# KiCad board RP2040-Breadstick.kicad_pcb
title: RP2040 Breadstick; date: 2023-02-27; rev: 0.1; company: J & R Creative Technologies Inc.; note: @RangenMichael; note: https://twitter.com/RangenMichael; note: Apache-2.0 License; note: https://github.com/mrangen/RP2040-Breadstick
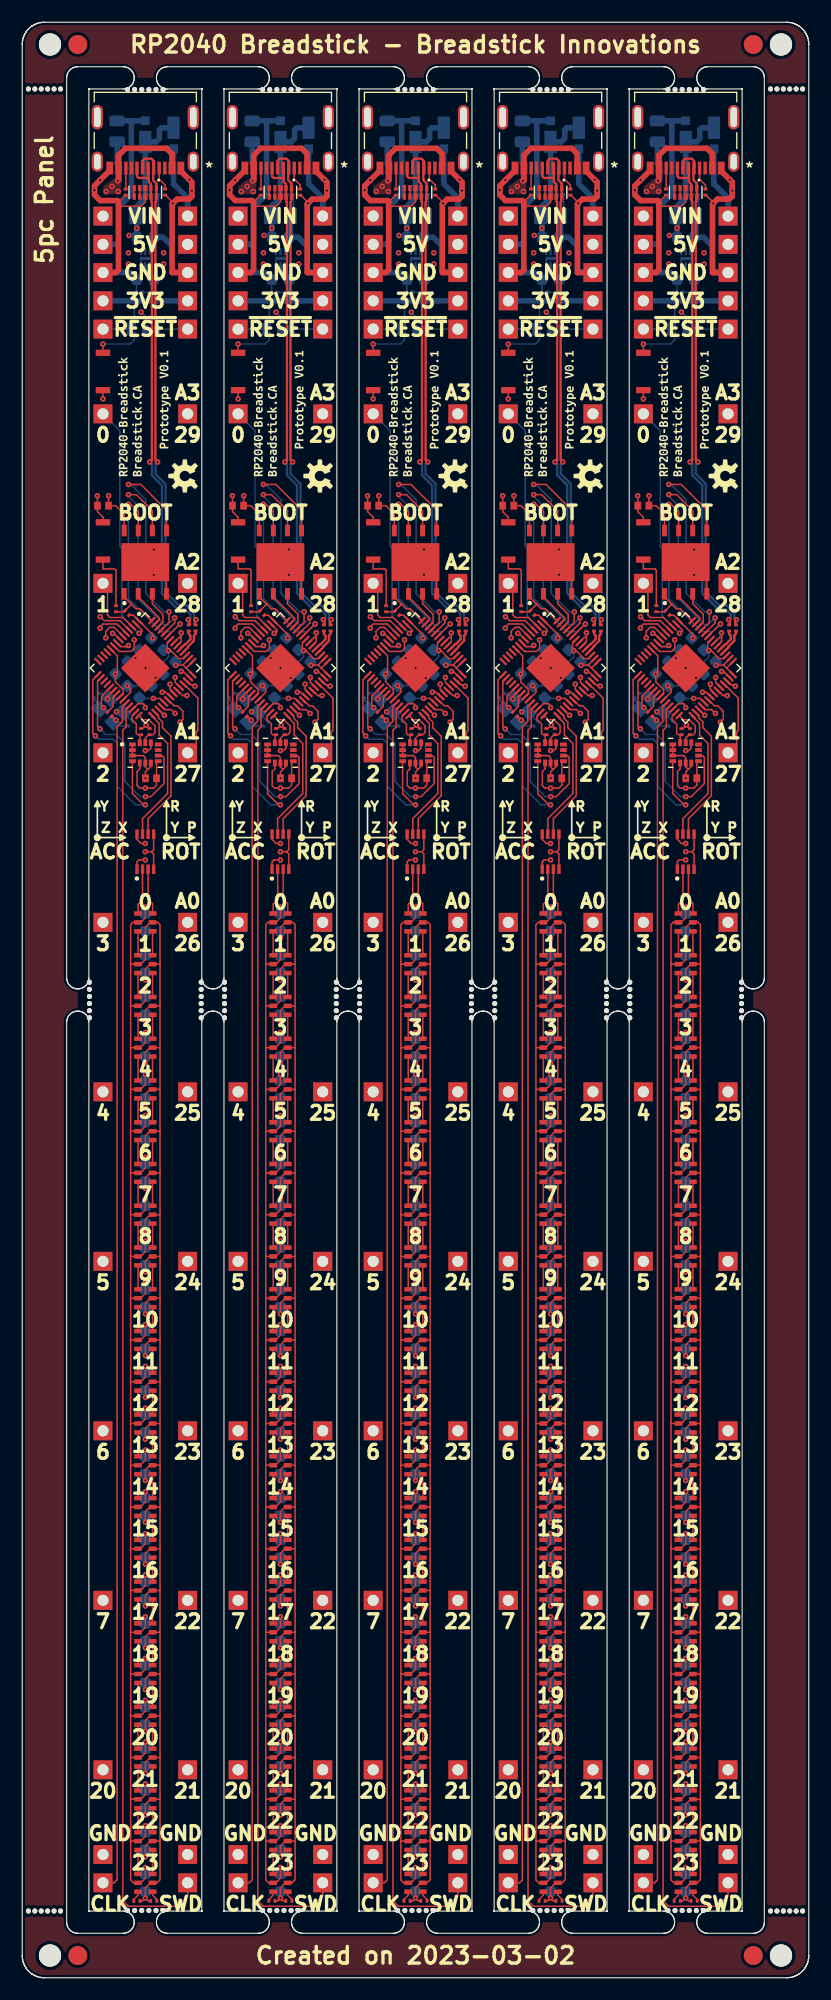
[diagram p0: board, top side]
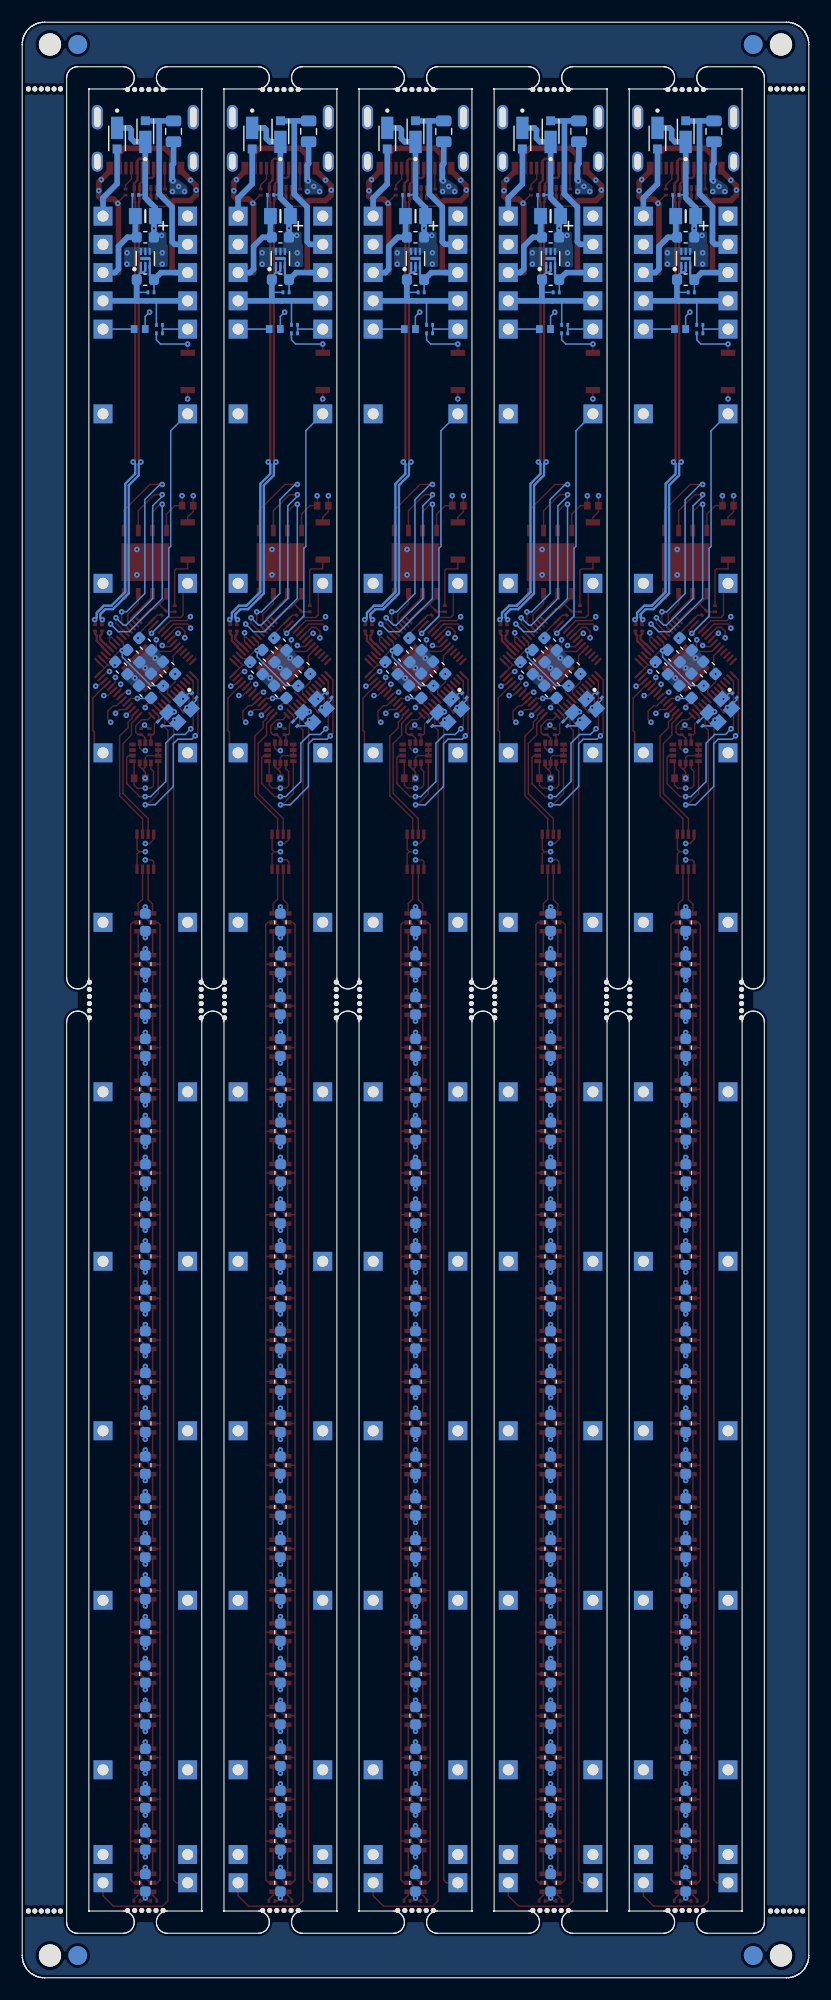
[diagram p1: board, bottom side, seen from below]

Outline 70.8 x 175.83 mm; copper layers: L1_SIG.Cu, L2_GND.Cu (plane), L3_SIG.Cu, L4_GND.Cu (plane), L5_3V3.Cu (plane), L6_5VHIGH.Cu (plane), L7_GND.Cu (plane), L8_SIG.Cu. Coordinates in mm from the lower left corner of the outline.
Stack: L1_SIG.Cu 0.07mm / dielectric 0.11mm PCBWay PP1080 er 4.29 / L2_GND.Cu 0.035mm / dielectric 0.2mm FR4 er 4.6 / L3_SIG.Cu 0.035mm / dielectric 0.11mm FR4 er 4.5 / L4_GND.Cu 0.035mm / dielectric 0.2mm FR4 er 4.6 / L5_3V3.Cu 0.035mm / dielectric 0.11mm FR4 er 4.5 / L6_5VHIGH.Cu 0.035mm / dielectric 0.2mm FR4 er 4.5 / L7_GND.Cu 0.035mm / dielectric 0.08mm PCBWay PP1080 er 4.29 / L8_SIG.Cu 0.07mm

## Placement (name value [footprint] x y rotation side)
C201  10pF 0201  [Perfect_0201_Cap]  31.01 115.3 135 bottom
C201#2  10pF 0201  [Perfect_0201_Cap]  18.85 115.3 135 bottom
C201#3  10pF 0201  [Perfect_0201_Cap]  6.69 115.3 135 bottom
C201#4  10pF 0201  [Perfect_0201_Cap]  55.33 115.3 135 bottom
C201#5  10pF 0201  [Perfect_0201_Cap]  43.17 115.3 135 bottom
C202  2.2uF 0603 10V  [C_0603_1608Metric]  12.16 118.84 225 bottom
C202#2  2.2uF 0603 10V  [C_0603_1608Metric]  24.32 118.84 225 bottom
C202#3  2.2uF 0603 10V  [C_0603_1608Metric]  48.64 118.84 225 bottom
C202#4  2.2uF 0603 10V  [C_0603_1608Metric]  60.8 118.84 225 bottom
C202#5  2.2uF 0603 10V  [C_0603_1608Metric]  36.48 118.84 225 bottom
C203  10pF 0201  [Perfect_0201_Cap]  34.08 112.76 315 bottom
C203#2  10pF 0201  [Perfect_0201_Cap]  58.4 112.76 315 bottom
C203#3  10pF 0201  [Perfect_0201_Cap]  21.92 112.76 315 bottom
C203#4  10pF 0201  [Perfect_0201_Cap]  46.24 112.76 315 bottom
C203#5  10pF 0201  [Perfect_0201_Cap]  9.76 112.76 315 bottom
C204  2.2uF 0603 10V  [C_0603_1608Metric]  22.18 116.7 45 bottom
C204#2  2.2uF 0603 10V  [C_0603_1608Metric]  34.34 116.7 45 bottom
C204#3  2.2uF 0603 10V  [C_0603_1608Metric]  10.02 116.7 45 bottom
C204#4  2.2uF 0603 10V  [C_0603_1608Metric]  58.66 116.7 45 bottom
C204#5  2.2uF 0603 10V  [C_0603_1608Metric]  46.5 116.7 45 bottom
C205  2.2uF 0603 10V  [C_0603_1608Metric]  23.24 119.92 225 bottom
C205#2  2.2uF 0603 10V  [C_0603_1608Metric]  59.72 119.92 225 bottom
C205#3  2.2uF 0603 10V  [C_0603_1608Metric]  47.56 119.92 225 bottom
C205#4  2.2uF 0603 10V  [C_0603_1608Metric]  11.08 119.92 225 bottom
C205#5  2.2uF 0603 10V  [C_0603_1608Metric]  35.4 119.92 225 bottom
C206  2.2uF 0603 10V  [C_0603_1608Metric]  59.74 115.63 45 bottom
C206#2  2.2uF 0603 10V  [C_0603_1608Metric]  11.1 115.63 45 bottom
C206#3  2.2uF 0603 10V  [C_0603_1608Metric]  23.26 115.63 45 bottom
C206#4  2.2uF 0603 10V  [C_0603_1608Metric]  35.42 115.63 45 bottom
C206#5  2.2uF 0603 10V  [C_0603_1608Metric]  47.58 115.63 45 bottom
C207  1uF 0402 10V  [Perfect_0402_Cap]  60.23 148.24 270 bottom
C207#2  1uF 0402 10V  [Perfect_0402_Cap]  23.75 148.24 270 bottom
C207#3  1uF 0402 10V  [Perfect_0402_Cap]  48.07 148.24 270 bottom
C207#4  1uF 0402 10V  [Perfect_0402_Cap]  11.59 148.24 270 bottom
C207#5  1uF 0402 10V  [Perfect_0402_Cap]  35.91 148.24 270 bottom
C210  2.2uF 0603 10V  [C_0603_1608Metric]  45.43 117.79 45 bottom
C210#2  2.2uF 0603 10V  [C_0603_1608Metric]  21.11 117.79 45 bottom
C210#3  2.2uF 0603 10V  [C_0603_1608Metric]  57.59 117.79 45 bottom
C210#4  2.2uF 0603 10V  [C_0603_1608Metric]  33.27 117.79 45 bottom
C210#5  2.2uF 0603 10V  [C_0603_1608Metric]  8.95 117.79 45 bottom
C211  2.2uF 0603 10V  [C_0603_1608Metric]  37.56 117.76 225 bottom
C211#2  2.2uF 0603 10V  [C_0603_1608Metric]  25.4 117.76 225 bottom
C211#3  2.2uF 0603 10V  [C_0603_1608Metric]  49.72 117.76 225 bottom
C211#4  2.2uF 0603 10V  [C_0603_1608Metric]  61.88 117.76 225 bottom
C211#5  2.2uF 0603 10V  [C_0603_1608Metric]  13.24 117.76 225 bottom
C216  1uF 0402 10V  [Perfect_0402_Cap]  19.43 132.37 90 top
C216#2  1uF 0402 10V  [Perfect_0402_Cap]  43.75 132.37 90 top
C216#3  1uF 0402 10V  [Perfect_0402_Cap]  31.59 132.37 90 top
C216#4  1uF 0402 10V  [Perfect_0402_Cap]  7.27 132.37 90 top
C216#5  1uF 0402 10V  [Perfect_0402_Cap]  55.91 132.37 90 top
C303  2.2uF 0603 10V  [C_0603_1608Metric]  59.72 94.9 270 bottom
C303#2  2.2uF 0603 10V  [C_0603_1608Metric]  47.56 94.9 270 bottom
C303#3  2.2uF 0603 10V  [C_0603_1608Metric]  11.08 94.9 270 bottom
C303#4  2.2uF 0603 10V  [C_0603_1608Metric]  35.4 94.9 270 bottom
C303#5  2.2uF 0603 10V  [C_0603_1608Metric]  23.24 94.9 270 bottom
C304  2.2uF 0603 10V  [C_0603_1608Metric]  11.08 91.15 270 bottom
C304#2  2.2uF 0603 10V  [C_0603_1608Metric]  59.72 91.15 270 bottom
C304#3  2.2uF 0603 10V  [C_0603_1608Metric]  47.56 91.15 270 bottom
C304#4  2.2uF 0603 10V  [C_0603_1608Metric]  35.4 91.15 270 bottom
C304#5  2.2uF 0603 10V  [C_0603_1608Metric]  23.24 91.15 270 bottom
C305  2.2uF 0603 10V  [C_0603_1608Metric]  11.08 87.39 270 bottom
C305#2  2.2uF 0603 10V  [C_0603_1608Metric]  23.24 87.39 270 bottom
C305#3  2.2uF 0603 10V  [C_0603_1608Metric]  59.72 87.39 270 bottom
C305#4  2.2uF 0603 10V  [C_0603_1608Metric]  47.56 87.39 270 bottom
C305#5  2.2uF 0603 10V  [C_0603_1608Metric]  35.4 87.39 270 bottom
C306  2.2uF 0603 10V  [C_0603_1608Metric]  35.4 83.64 270 bottom
C306#2  2.2uF 0603 10V  [C_0603_1608Metric]  47.56 83.64 270 bottom
C306#3  2.2uF 0603 10V  [C_0603_1608Metric]  11.08 83.64 270 bottom
C306#4  2.2uF 0603 10V  [C_0603_1608Metric]  23.24 83.64 270 bottom
C306#5  2.2uF 0603 10V  [C_0603_1608Metric]  59.72 83.64 270 bottom
C307  2.2uF 0603 10V  [C_0603_1608Metric]  35.4 79.88 270 bottom
C307#2  2.2uF 0603 10V  [C_0603_1608Metric]  59.72 79.88 270 bottom
C307#3  2.2uF 0603 10V  [C_0603_1608Metric]  23.24 79.88 270 bottom
C307#4  2.2uF 0603 10V  [C_0603_1608Metric]  47.56 79.88 270 bottom
C307#5  2.2uF 0603 10V  [C_0603_1608Metric]  11.08 79.88 270 bottom
C308  2.2uF 0603 10V  [C_0603_1608Metric]  47.55 76.13 270 bottom
C308#2  2.2uF 0603 10V  [C_0603_1608Metric]  35.38 76.13 270 bottom
C308#3  2.2uF 0603 10V  [C_0603_1608Metric]  23.22 76.13 270 bottom
C308#4  2.2uF 0603 10V  [C_0603_1608Metric]  59.7 76.13 270 bottom
C308#5  2.2uF 0603 10V  [C_0603_1608Metric]  11.06 76.13 270 bottom
C309  2.2uF 0603 10V  [C_0603_1608Metric]  59.7 72.37 270 bottom
C309#2  2.2uF 0603 10V  [C_0603_1608Metric]  23.22 72.37 270 bottom
C309#3  2.2uF 0603 10V  [C_0603_1608Metric]  11.06 72.37 270 bottom
C309#4  2.2uF 0603 10V  [C_0603_1608Metric]  35.38 72.37 270 bottom
C309#5  2.2uF 0603 10V  [C_0603_1608Metric]  47.55 72.37 270 bottom
C310  2.2uF 0603 10V  [C_0603_1608Metric]  59.72 68.62 270 bottom
C310#2  2.2uF 0603 10V  [C_0603_1608Metric]  35.4 68.62 270 bottom
C310#3  2.2uF 0603 10V  [C_0603_1608Metric]  23.24 68.62 270 bottom
C310#4  2.2uF 0603 10V  [C_0603_1608Metric]  47.56 68.62 270 bottom
C310#5  2.2uF 0603 10V  [C_0603_1608Metric]  11.08 68.62 270 bottom
C311  2.2uF 0603 10V  [C_0603_1608Metric]  59.72 64.86 270 bottom
C311#2  2.2uF 0603 10V  [C_0603_1608Metric]  11.08 64.86 270 bottom
C311#3  2.2uF 0603 10V  [C_0603_1608Metric]  47.56 64.86 270 bottom
C311#4  2.2uF 0603 10V  [C_0603_1608Metric]  23.24 64.86 270 bottom
C311#5  2.2uF 0603 10V  [C_0603_1608Metric]  35.4 64.86 270 bottom
C312  2.2uF 0603 10V  [C_0603_1608Metric]  35.4 61.11 270 bottom
C312#2  2.2uF 0603 10V  [C_0603_1608Metric]  47.56 61.11 270 bottom
C312#3  2.2uF 0603 10V  [C_0603_1608Metric]  11.08 61.11 270 bottom
C312#4  2.2uF 0603 10V  [C_0603_1608Metric]  23.24 61.11 270 bottom
C312#5  2.2uF 0603 10V  [C_0603_1608Metric]  59.72 61.11 270 bottom
C313  2.2uF 0603 10V  [C_0603_1608Metric]  47.56 57.35 270 bottom
C313#2  2.2uF 0603 10V  [C_0603_1608Metric]  59.72 57.35 270 bottom
C313#3  2.2uF 0603 10V  [C_0603_1608Metric]  35.4 57.35 270 bottom
C313#4  2.2uF 0603 10V  [C_0603_1608Metric]  11.08 57.35 270 bottom
C313#5  2.2uF 0603 10V  [C_0603_1608Metric]  23.24 57.35 270 bottom
C314  2.2uF 0603 10V  [C_0603_1608Metric]  11.08 53.6 270 bottom
C314#2  2.2uF 0603 10V  [C_0603_1608Metric]  47.56 53.6 270 bottom
C314#3  2.2uF 0603 10V  [C_0603_1608Metric]  59.72 53.6 270 bottom
C314#4  2.2uF 0603 10V  [C_0603_1608Metric]  23.24 53.6 270 bottom
C314#5  2.2uF 0603 10V  [C_0603_1608Metric]  35.4 53.6 270 bottom
C315  2.2uF 0603 10V  [C_0603_1608Metric]  23.24 49.84 270 bottom
C315#2  2.2uF 0603 10V  [C_0603_1608Metric]  11.08 49.84 270 bottom
C315#3  2.2uF 0603 10V  [C_0603_1608Metric]  47.56 49.84 270 bottom
C315#4  2.2uF 0603 10V  [C_0603_1608Metric]  59.72 49.84 270 bottom
C315#5  2.2uF 0603 10V  [C_0603_1608Metric]  35.4 49.84 270 bottom
C316  2.2uF 0603 10V  [C_0603_1608Metric]  59.72 46.09 270 bottom
C316#2  2.2uF 0603 10V  [C_0603_1608Metric]  11.08 46.09 270 bottom
C316#3  2.2uF 0603 10V  [C_0603_1608Metric]  35.4 46.09 270 bottom
C316#4  2.2uF 0603 10V  [C_0603_1608Metric]  23.24 46.09 270 bottom
C316#5  2.2uF 0603 10V  [C_0603_1608Metric]  47.56 46.09 270 bottom
C317  2.2uF 0603 10V  [C_0603_1608Metric]  11.08 42.33 270 bottom
C317#2  2.2uF 0603 10V  [C_0603_1608Metric]  47.56 42.33 270 bottom
C317#3  2.2uF 0603 10V  [C_0603_1608Metric]  59.72 42.33 270 bottom
C317#4  2.2uF 0603 10V  [C_0603_1608Metric]  23.24 42.33 270 bottom
C317#5  2.2uF 0603 10V  [C_0603_1608Metric]  35.4 42.33 270 bottom
C318  2.2uF 0603 10V  [C_0603_1608Metric]  11.08 38.58 270 bottom
C318#2  2.2uF 0603 10V  [C_0603_1608Metric]  59.72 38.58 270 bottom
C318#3  2.2uF 0603 10V  [C_0603_1608Metric]  35.4 38.58 270 bottom
C318#4  2.2uF 0603 10V  [C_0603_1608Metric]  23.24 38.58 270 bottom
C318#5  2.2uF 0603 10V  [C_0603_1608Metric]  47.56 38.58 270 bottom
C319  2.2uF 0603 10V  [C_0603_1608Metric]  59.72 34.82 270 bottom
C319#2  2.2uF 0603 10V  [C_0603_1608Metric]  23.24 34.82 270 bottom
C319#3  2.2uF 0603 10V  [C_0603_1608Metric]  35.4 34.82 270 bottom
C319#4  2.2uF 0603 10V  [C_0603_1608Metric]  47.56 34.82 270 bottom
C319#5  2.2uF 0603 10V  [C_0603_1608Metric]  11.08 34.82 270 bottom
C320  2.2uF 0603 10V  [C_0603_1608Metric]  35.4 31.07 270 bottom
C320#2  2.2uF 0603 10V  [C_0603_1608Metric]  59.72 31.07 270 bottom
C320#3  2.2uF 0603 10V  [C_0603_1608Metric]  11.08 31.07 270 bottom
C320#4  2.2uF 0603 10V  [C_0603_1608Metric]  47.56 31.07 270 bottom
C320#5  2.2uF 0603 10V  [C_0603_1608Metric]  23.24 31.07 270 bottom
C321  2.2uF 0603 10V  [C_0603_1608Metric]  11.08 27.31 270 bottom
C321#2  2.2uF 0603 10V  [C_0603_1608Metric]  47.56 27.31 270 bottom
C321#3  2.2uF 0603 10V  [C_0603_1608Metric]  35.4 27.31 270 bottom
C321#4  2.2uF 0603 10V  [C_0603_1608Metric]  59.72 27.31 270 bottom
C321#5  2.2uF 0603 10V  [C_0603_1608Metric]  23.24 27.31 270 bottom
C322  2.2uF 0603 10V  [C_0603_1608Metric]  11.08 23.56 270 bottom
C322#2  2.2uF 0603 10V  [C_0603_1608Metric]  47.56 23.56 270 bottom
C322#3  2.2uF 0603 10V  [C_0603_1608Metric]  23.24 23.56 270 bottom
C322#4  2.2uF 0603 10V  [C_0603_1608Metric]  59.72 23.56 270 bottom
C322#5  2.2uF 0603 10V  [C_0603_1608Metric]  35.4 23.56 270 bottom
C323  2.2uF 0603 10V  [C_0603_1608Metric]  47.56 19.8 270 bottom
C323#2  2.2uF 0603 10V  [C_0603_1608Metric]  23.24 19.8 270 bottom
C323#3  2.2uF 0603 10V  [C_0603_1608Metric]  11.08 19.8 270 bottom
C323#4  2.2uF 0603 10V  [C_0603_1608Metric]  59.72 19.8 270 bottom
C323#5  2.2uF 0603 10V  [C_0603_1608Metric]  35.4 19.8 270 bottom
C324  2.2uF 0603 10V  [C_0603_1608Metric]  11.08 16.05 270 bottom
C324#2  2.2uF 0603 10V  [C_0603_1608Metric]  35.4 16.05 270 bottom
C324#3  2.2uF 0603 10V  [C_0603_1608Metric]  23.24 16.05 270 bottom
C324#4  2.2uF 0603 10V  [C_0603_1608Metric]  59.72 16.05 270 bottom
C324#5  2.2uF 0603 10V  [C_0603_1608Metric]  47.56 16.05 270 bottom
C325  2.2uF 0603 10V  [C_0603_1608Metric]  47.56 12.29 270 bottom
C325#2  2.2uF 0603 10V  [C_0603_1608Metric]  59.72 12.29 270 bottom
C325#3  2.2uF 0603 10V  [C_0603_1608Metric]  23.24 12.29 270 bottom
C325#4  2.2uF 0603 10V  [C_0603_1608Metric]  11.08 12.29 270 bottom
C325#5  2.2uF 0603 10V  [C_0603_1608Metric]  35.4 12.29 270 bottom
C326  2.2uF 0603 10V  [C_0603_1608Metric]  59.72 8.54 270 bottom
C326#2  2.2uF 0603 10V  [C_0603_1608Metric]  47.56 8.54 270 bottom
C326#3  2.2uF 0603 10V  [C_0603_1608Metric]  35.4 8.54 270 bottom
C326#4  2.2uF 0603 10V  [C_0603_1608Metric]  23.24 8.54 270 bottom
C326#5  2.2uF 0603 10V  [C_0603_1608Metric]  11.08 8.54 270 bottom
C401  1uF 0402 10V  [Perfect_0402_Cap]  48.07 107.85 90 top
C401#2  1uF 0402 10V  [Perfect_0402_Cap]  23.75 107.85 90 top
C401#3  1uF 0402 10V  [Perfect_0402_Cap]  11.59 107.85 90 top
C401#4  1uF 0402 10V  [Perfect_0402_Cap]  35.91 107.85 90 top
C401#5  1uF 0402 10V  [Perfect_0402_Cap]  60.23 107.85 90 top
C501  47uF 0805 6.3V Tant  [CAPC2012X140N]  23.24 158.4 0 bottom
C501#2  47uF 0805 6.3V Tant  [CAPC2012X140N]  35.4 158.4 0 bottom
C501#3  47uF 0805 6.3V Tant  [CAPC2012X140N]  47.56 158.4 0 bottom
C501#4  47uF 0805 6.3V Tant  [CAPC2012X140N]  59.72 158.4 0 bottom
C501#5  47uF 0805 6.3V Tant  [CAPC2012X140N]  11.08 158.4 0 bottom
C502  2.2uF 0603 10V  [C_0603_1608Metric]  59.72 156.5 0 bottom
C502#2  2.2uF 0603 10V  [C_0603_1608Metric]  47.56 156.5 0 bottom
C502#3  2.2uF 0603 10V  [C_0603_1608Metric]  35.4 156.5 0 bottom
C502#4  2.2uF 0603 10V  [C_0603_1608Metric]  11.08 156.5 0 bottom
C502#5  2.2uF 0603 10V  [C_0603_1608Metric]  23.24 156.5 0 bottom
C503  2.2uF 0603 10V  [C_0603_1608Metric]  47.56 152.69 180 bottom
C503#2  2.2uF 0603 10V  [C_0603_1608Metric]  11.08 152.69 180 bottom
C503#3  2.2uF 0603 10V  [C_0603_1608Metric]  23.24 152.69 180 bottom
C503#4  2.2uF 0603 10V  [C_0603_1608Metric]  59.72 152.69 180 bottom
C503#5  2.2uF 0603 10V  [C_0603_1608Metric]  35.4 152.69 180 bottom
D501  2A  [DIO_V2PM15HM3_H]  62.26 165.39 270 bottom
D501#2  2A  [DIO_V2PM15HM3_H]  37.94 165.39 270 bottom
D501#3  2A  [DIO_V2PM15HM3_H]  50.1 165.39 270 bottom
D501#4  2A  [DIO_V2PM15HM3_H]  25.78 165.39 270 bottom
D501#5  2A  [DIO_V2PM15HM3_H]  13.62 165.39 270 bottom
D502  2A  [DIO_V2PM15HM3_H]  47.56 166.02 90 bottom
D502#2  2A  [DIO_V2PM15HM3_H]  11.08 166.02 90 bottom
D502#3  2A  [DIO_V2PM15HM3_H]  59.72 166.02 90 bottom
D502#4  2A  [DIO_V2PM15HM3_H]  35.4 166.02 90 bottom
D502#5  2A  [DIO_V2PM15HM3_H]  23.24 166.02 90 bottom
F501  4A USB PTC  [Fuse_0805_2012Metric]  8.54 166.02 90 bottom
F501#2  4A USB PTC  [Fuse_0805_2012Metric]  57.18 166.02 90 bottom
F501#3  4A USB PTC  [Fuse_0805_2012Metric]  20.7 166.02 90 bottom
F501#4  4A USB PTC  [Fuse_0805_2012Metric]  32.86 166.02 90 bottom
F501#5  4A USB PTC  [Fuse_0805_2012Metric]  45.02 166.02 90 bottom
IC301  -  [74AXP2T45DCH]  47.56 101.25 90 top
IC301#2  -  [74AXP2T45DCH]  35.4 101.25 90 top
IC301#3  -  [74AXP2T45DCH]  23.24 101.25 90 top
IC301#4  -  [74AXP2T45DCH]  59.72 101.25 90 top
IC301#5  -  [74AXP2T45DCH]  11.08 101.25 90 top
J201  Conn_01x01  [PinHeader_1x01_P2.54mm_Vertical]  51.37 148.24 180 bottom
J201#2  Conn_01x01  [PinHeader_1x01_P2.54mm_Vertical]  63.53 148.24 180 bottom
J201#3  Conn_01x01  [PinHeader_1x01_P2.54mm_Vertical]  27.05 148.24 180 bottom
J201#4  Conn_01x01  [PinHeader_1x01_P2.54mm_Vertical]  39.21 148.24 180 bottom
J201#5  Conn_01x01  [PinHeader_1x01_P2.54mm_Vertical]  14.89 148.24 180 bottom
J202  Conn_01x01  [PinHeader_1x01_P2.54mm_Vertical]  51.37 79.66 180 bottom
J202#2  Conn_01x01  [PinHeader_1x01_P2.54mm_Vertical]  63.53 79.66 180 bottom
J202#3  Conn_01x01  [PinHeader_1x01_P2.54mm_Vertical]  27.05 79.66 180 bottom
J202#4  Conn_01x01  [PinHeader_1x01_P2.54mm_Vertical]  39.21 79.66 180 bottom
J202#5  Conn_01x01  [PinHeader_1x01_P2.54mm_Vertical]  14.89 79.66 180 bottom
J203  Conn_01x01  [PinHeader_1x01_P2.54mm_Vertical]  63.53 18.7 180 bottom
J203#2  Conn_01x01  [PinHeader_1x01_P2.54mm_Vertical]  27.05 18.7 180 bottom
J203#3  Conn_01x01  [PinHeader_1x01_P2.54mm_Vertical]  51.37 18.7 180 bottom
J203#4  Conn_01x01  [PinHeader_1x01_P2.54mm_Vertical]  14.89 18.7 180 bottom
J203#5  Conn_01x01  [PinHeader_1x01_P2.54mm_Vertical]  39.21 18.7 180 bottom
J204  Conn_01x01  [PinHeader_1x01_P2.54mm_Vertical]  19.43 18.7 180 bottom
J204#2  Conn_01x01  [PinHeader_1x01_P2.54mm_Vertical]  55.91 18.7 180 bottom
J204#3  Conn_01x01  [PinHeader_1x01_P2.54mm_Vertical]  43.75 18.7 180 bottom
J204#4  Conn_01x01  [PinHeader_1x01_P2.54mm_Vertical]  31.59 18.7 180 bottom
J204#5  Conn_01x01  [PinHeader_1x01_P2.54mm_Vertical]  7.27 18.7 180 bottom
J205  Conn_01x01  [PinHeader_1x01_P2.54mm_Vertical]  31.59 140.62 180 bottom
J205#2  Conn_01x01  [PinHeader_1x01_P2.54mm_Vertical]  19.43 140.62 180 bottom
J205#3  Conn_01x01  [PinHeader_1x01_P2.54mm_Vertical]  55.91 140.62 180 bottom
J205#4  Conn_01x01  [PinHeader_1x01_P2.54mm_Vertical]  7.27 140.62 180 bottom
J205#5  Conn_01x01  [PinHeader_1x01_P2.54mm_Vertical]  43.75 140.62 180 bottom
J206  Conn_01x01  [PinHeader_1x01_P2.54mm_Vertical]  7.27 125.38 180 bottom
J206#2  Conn_01x01  [PinHeader_1x01_P2.54mm_Vertical]  31.59 125.38 180 bottom
J206#3  Conn_01x01  [PinHeader_1x01_P2.54mm_Vertical]  19.43 125.38 180 bottom
J206#4  Conn_01x01  [PinHeader_1x01_P2.54mm_Vertical]  43.75 125.38 180 bottom
J206#5  Conn_01x01  [PinHeader_1x01_P2.54mm_Vertical]  55.91 125.38 180 bottom
J207  Conn_01x01  [PinHeader_1x01_P2.54mm_Vertical]  19.43 110.14 180 bottom
J207#2  Conn_01x01  [PinHeader_1x01_P2.54mm_Vertical]  7.27 110.14 180 bottom
J207#3  Conn_01x01  [PinHeader_1x01_P2.54mm_Vertical]  55.91 110.14 180 bottom
J207#4  Conn_01x01  [PinHeader_1x01_P2.54mm_Vertical]  31.59 110.14 180 bottom
J207#5  Conn_01x01  [PinHeader_1x01_P2.54mm_Vertical]  43.75 110.14 180 bottom
J208  Conn_01x01  [PinHeader_1x01_P2.54mm_Vertical]  7.27 94.9 180 bottom
J208#2  Conn_01x01  [PinHeader_1x01_P2.54mm_Vertical]  55.91 94.9 180 bottom
J208#3  Conn_01x01  [PinHeader_1x01_P2.54mm_Vertical]  31.59 94.9 180 bottom
J208#4  Conn_01x01  [PinHeader_1x01_P2.54mm_Vertical]  19.43 94.9 180 bottom
J208#5  Conn_01x01  [PinHeader_1x01_P2.54mm_Vertical]  43.75 94.9 180 bottom
J209  Conn_01x01  [PinHeader_1x01_P2.54mm_Vertical]  43.75 79.66 180 bottom
J209#2  Conn_01x01  [PinHeader_1x01_P2.54mm_Vertical]  19.43 79.66 180 bottom
J209#3  Conn_01x01  [PinHeader_1x01_P2.54mm_Vertical]  55.91 79.66 180 bottom
J209#4  Conn_01x01  [PinHeader_1x01_P2.54mm_Vertical]  7.27 79.66 180 bottom
J209#5  Conn_01x01  [PinHeader_1x01_P2.54mm_Vertical]  31.59 79.66 180 bottom
J210  Conn_01x01  [PinHeader_1x01_P2.54mm_Vertical]  19.43 64.42 180 bottom
J210#2  Conn_01x01  [PinHeader_1x01_P2.54mm_Vertical]  55.91 64.42 180 bottom
J210#3  Conn_01x01  [PinHeader_1x01_P2.54mm_Vertical]  7.27 64.42 180 bottom
J210#4  Conn_01x01  [PinHeader_1x01_P2.54mm_Vertical]  43.75 64.42 180 bottom
J210#5  Conn_01x01  [PinHeader_1x01_P2.54mm_Vertical]  31.59 64.42 180 bottom
J211  Conn_01x01  [PinHeader_1x01_P2.54mm_Vertical]  7.27 49.18 180 bottom
J211#2  Conn_01x01  [PinHeader_1x01_P2.54mm_Vertical]  55.91 49.18 180 bottom
J211#3  Conn_01x01  [PinHeader_1x01_P2.54mm_Vertical]  31.59 49.18 180 bottom
J211#4  Conn_01x01  [PinHeader_1x01_P2.54mm_Vertical]  19.43 49.18 180 bottom
J211#5  Conn_01x01  [PinHeader_1x01_P2.54mm_Vertical]  43.75 49.18 180 bottom
J212  Conn_01x01  [PinHeader_1x01_P2.54mm_Vertical]  19.43 33.94 180 bottom
J212#2  Conn_01x01  [PinHeader_1x01_P2.54mm_Vertical]  55.91 33.94 180 bottom
J212#3  Conn_01x01  [PinHeader_1x01_P2.54mm_Vertical]  7.27 33.94 180 bottom
J212#4  Conn_01x01  [PinHeader_1x01_P2.54mm_Vertical]  43.75 33.94 180 bottom
J212#5  Conn_01x01  [PinHeader_1x01_P2.54mm_Vertical]  31.59 33.94 180 bottom
J213  Conn_01x01  [PinHeader_1x01_P2.54mm_Vertical]  39.21 33.94 180 bottom
J213#2  Conn_01x01  [PinHeader_1x01_P2.54mm_Vertical]  63.53 33.94 180 bottom
J213#3  Conn_01x01  [PinHeader_1x01_P2.54mm_Vertical]  51.37 33.94 180 bottom
J213#4  Conn_01x01  [PinHeader_1x01_P2.54mm_Vertical]  14.89 33.94 180 bottom
J213#5  Conn_01x01  [PinHeader_1x01_P2.54mm_Vertical]  27.05 33.94 180 bottom
J214  Conn_01x01  [PinHeader_1x01_P2.54mm_Vertical]  27.05 49.18 180 bottom
J214#2  Conn_01x01  [PinHeader_1x01_P2.54mm_Vertical]  51.37 49.18 180 bottom
J214#3  Conn_01x01  [PinHeader_1x01_P2.54mm_Vertical]  63.53 49.18 180 bottom
J214#4  Conn_01x01  [PinHeader_1x01_P2.54mm_Vertical]  14.89 49.18 180 bottom
J214#5  Conn_01x01  [PinHeader_1x01_P2.54mm_Vertical]  39.21 49.18 180 bottom
J215  Conn_01x01  [PinHeader_1x01_P2.54mm_Vertical]  39.21 64.42 180 bottom
J215#2  Conn_01x01  [PinHeader_1x01_P2.54mm_Vertical]  27.05 64.42 180 bottom
J215#3  Conn_01x01  [PinHeader_1x01_P2.54mm_Vertical]  63.53 64.42 180 bottom
J215#4  Conn_01x01  [PinHeader_1x01_P2.54mm_Vertical]  51.37 64.42 180 bottom
J215#5  Conn_01x01  [PinHeader_1x01_P2.54mm_Vertical]  14.89 64.42 180 bottom
J217  Conn_01x01  [PinHeader_1x01_P2.54mm_Vertical]  51.37 140.62 180 bottom
J217#2  Conn_01x01  [PinHeader_1x01_P2.54mm_Vertical]  14.89 140.62 180 bottom
J217#3  Conn_01x01  [PinHeader_1x01_P2.54mm_Vertical]  27.05 140.62 180 bottom
J217#4  Conn_01x01  [PinHeader_1x01_P2.54mm_Vertical]  63.53 140.62 180 bottom
J217#5  Conn_01x01  [PinHeader_1x01_P2.54mm_Vertical]  39.21 140.62 180 bottom
J218  Conn_01x01  [PinHeader_1x01_P2.54mm_Vertical]  39.21 125.38 180 bottom
J218#2  Conn_01x01  [PinHeader_1x01_P2.54mm_Vertical]  14.89 125.38 180 bottom
J218#3  Conn_01x01  [PinHeader_1x01_P2.54mm_Vertical]  51.37 125.38 180 bottom
J218#4  Conn_01x01  [PinHeader_1x01_P2.54mm_Vertical]  63.53 125.38 180 bottom
J218#5  Conn_01x01  [PinHeader_1x01_P2.54mm_Vertical]  27.05 125.38 180 bottom
J219  Conn_01x01  [PinHeader_1x01_P2.54mm_Vertical]  51.37 110.14 180 bottom
J219#2  Conn_01x01  [PinHeader_1x01_P2.54mm_Vertical]  63.53 110.14 180 bottom
J219#3  Conn_01x01  [PinHeader_1x01_P2.54mm_Vertical]  14.89 110.14 180 bottom